# Altium PCB CORTEXM4.PcbDoc (part 1 of 2) (continued)
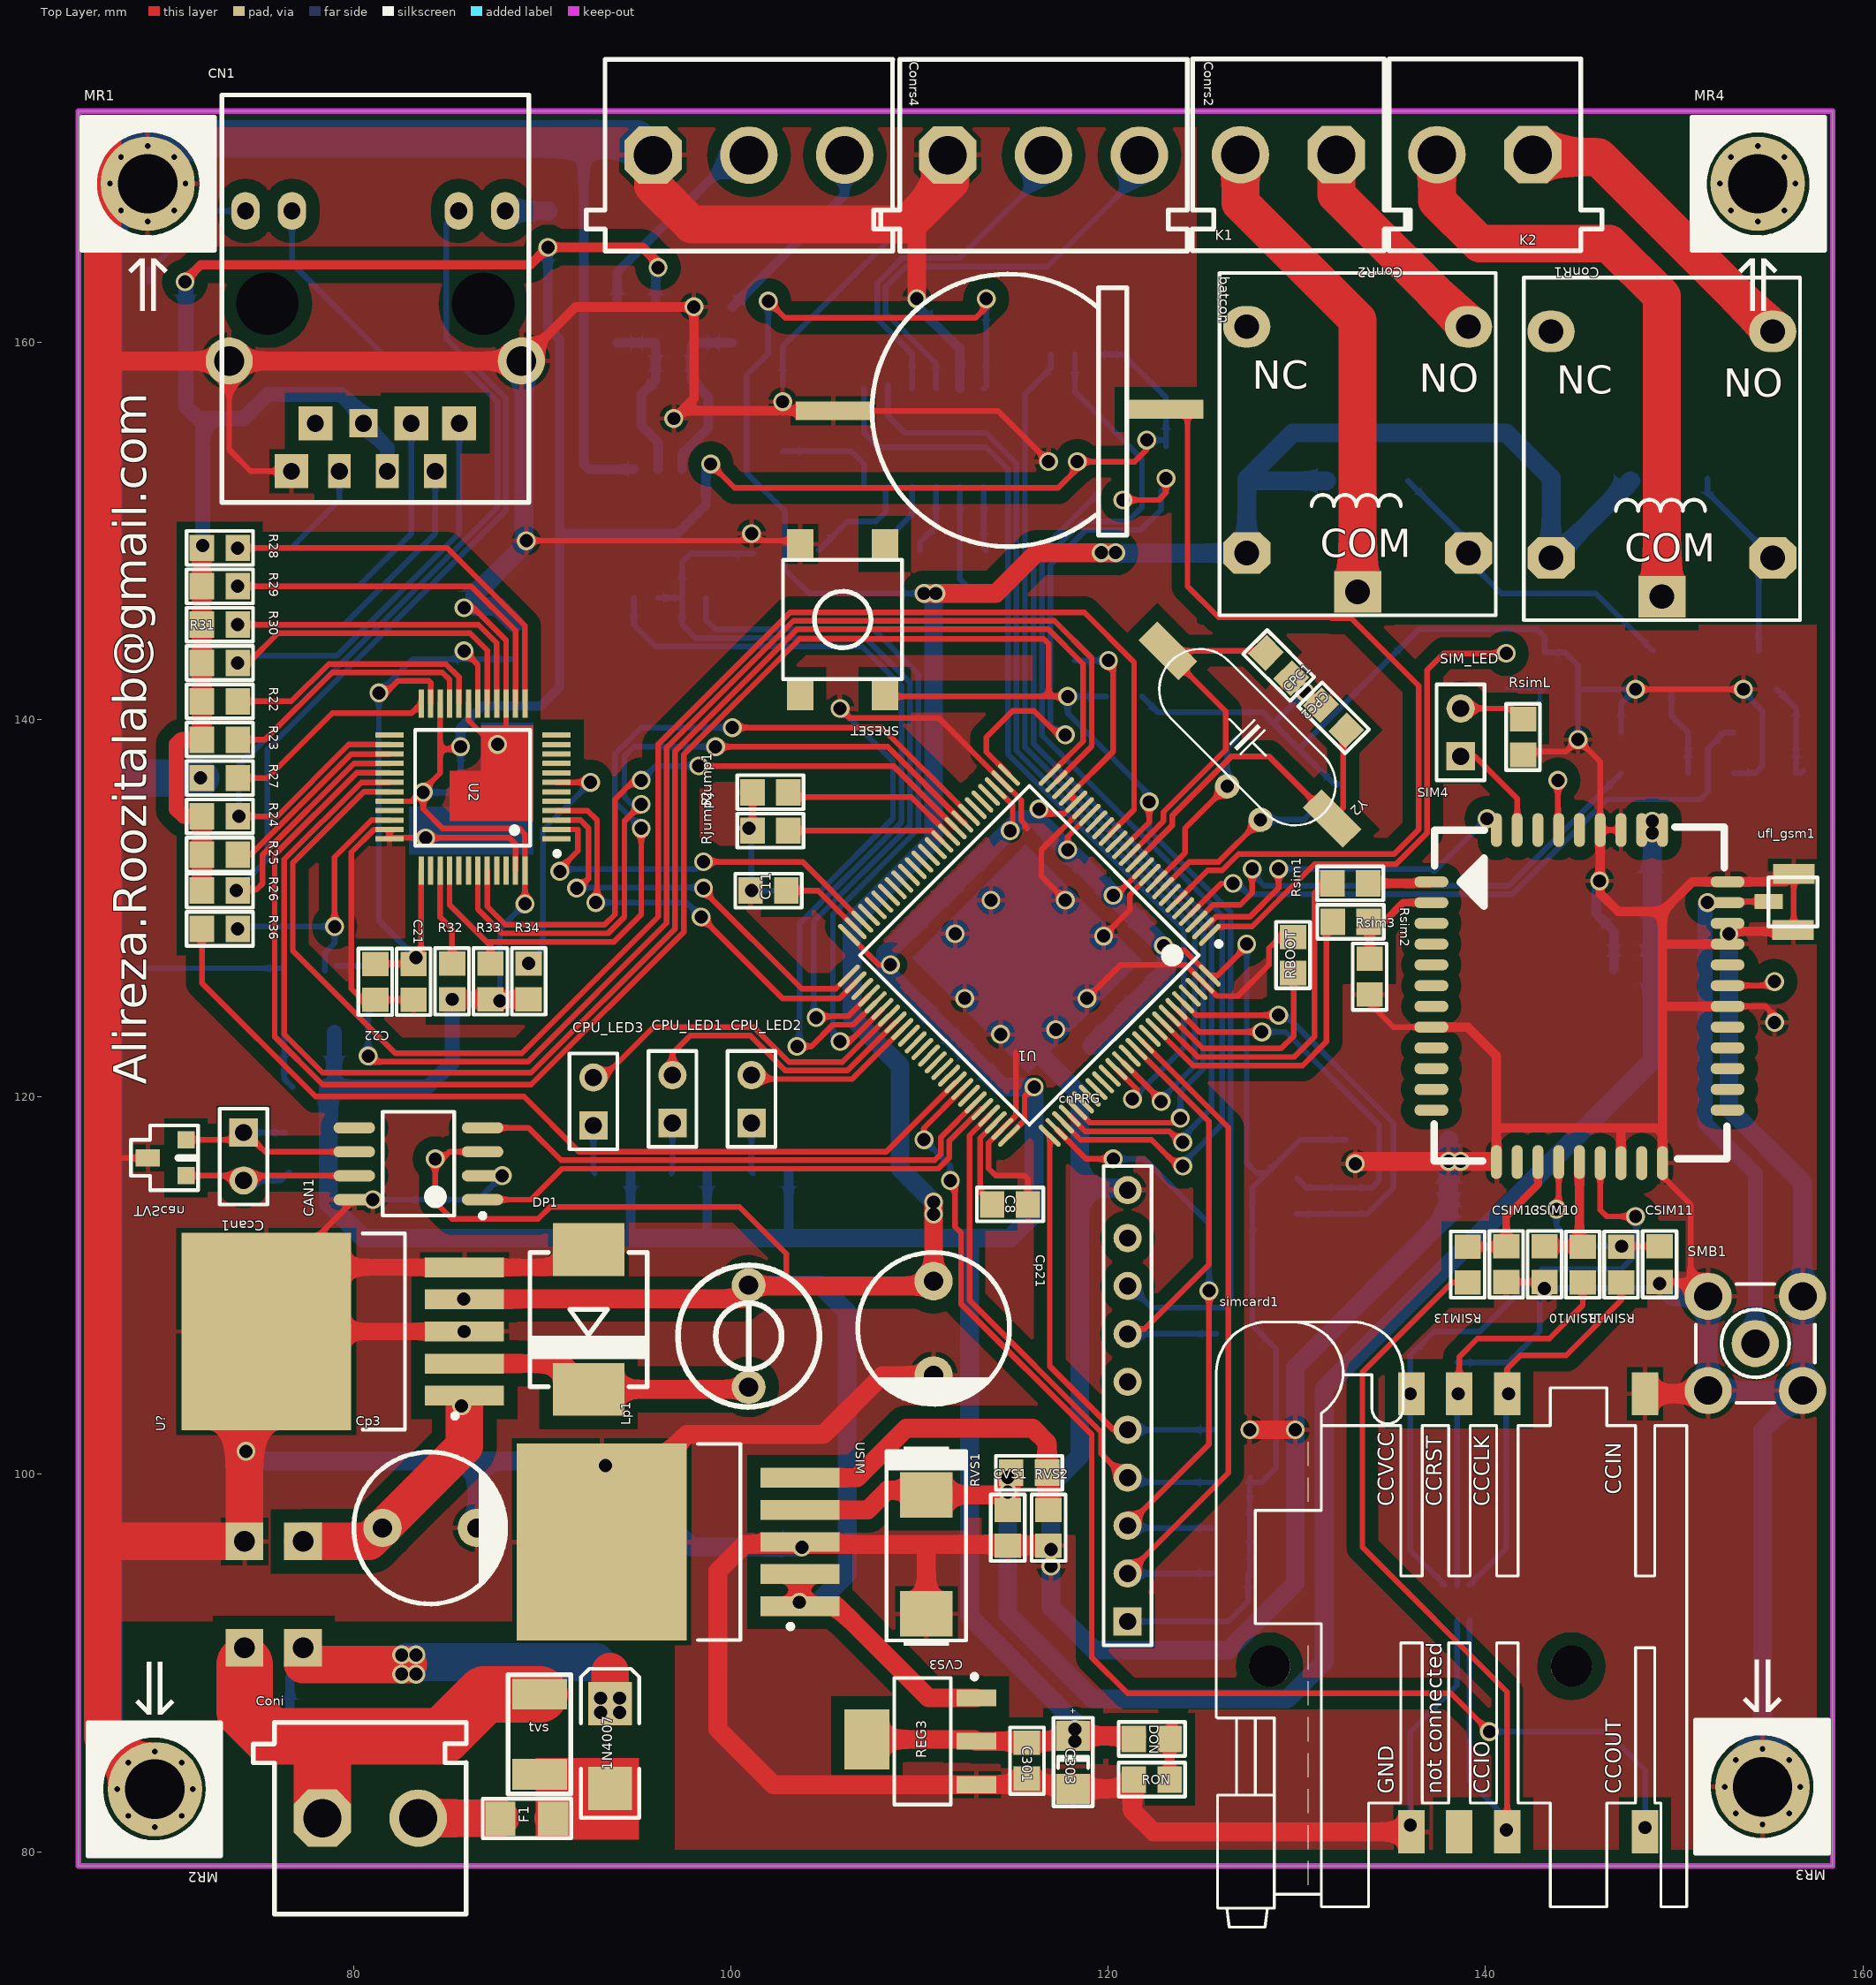
[diagram p0: Top Layer view]
## Design rules (kind name [scope] priority, off if disabled: settings)
Clearance [All] p1: gap=0.2 ignorepadtopadclearanceinfootprint=FALSE except(0: Arc-Hole Track-Hole SMDPad-Hole THPad-Hole Via-Hole Fill-Hole Poly-Hole Region-Hole Text-Hole)
ComponentClearance [All] p1: gap=0 collisioncheckmode=3 verticalgap=0 showdistances=FALSE
PlaneClearance [All] p1: clearance=0.508
PlaneConnect [All] p1: planeconnectstyle=Relief reliefexpansion=0.508 reliefentries=4 reliefconductorwidth=0.254 reliefairgap=0.254
PolygonConnect [All] p1: connectstyle=Relief reliefconductorwidth=0.254 reliefentries=4 polygonreliefangle="90 Angle" airgapwidth=0.254
RoutingVias [All] p1: holewidth=0.6 width=1 viastyle="Through Hole" minholewidth=0.711 minwidth=1.27 maxholewidth=0.711 maxwidth=1.27
SolderMaskExpansion [All] p1: expansion=0.102
Width [All] p1: maxlimit=10 minlimit=0.2 preferedwidth=0.2 minimp=50.000000 maximp=50.000000 favimp=50.000000
27 further rules are at their usual default settings.

## Classes and differential pairs
component class OUTPUTS: ConR1 ConR2 D19 D20 K1 K2 QR2 QR3 R143 R144 R145 R146
component class POWER_PART: 1N4007 C301 C303 Coni CP1 Cp3 Cp4 Cp5 Cp21 Cpin DON DP1 F1 Lp1 REG3 RON S1 tvs U?
component class PROTOCOL_PART: C325 Conrs2 Conrs4 Crs1 Crs2 Crs3 Crs4 Crs5 F31 F32 R321 R322 R323 TVS2 U37 Urs2
component class ETH_PART: C21 C22 C23 C24 C25 C26 C27 CN1 R21 R22 R23 R24 R25 R26 R27 R28 R29 R30 R31 R32 R33 R34 R35 R36 R37 R200 U2 UX
component class SIM800: CRTC1 CSIM10 CSIM11 CSIM12 CSIM13 CVS1 CVS2 CVS3 CVS4 CVS5 ESD10 Qsim6 Rsim1 Rsim2 Rsim3 Rsim4 Rsim5 RSIM10 RSIM11 RSIM13 RsimL RVS1 RVS2 SIM4 SIM_LED simcard1 SMB1 ufl_gsm1 USIM
component class STM32F407VG: batcon C8 C9 C10 C11 C13 CAN1 Capcan1 CB1 CB2 CB3 CB4 CB5 CB6 CB7 CB8 Ccan1 cnPRG CP2 CPC1 CPC2 CPC3 CPC4 CPU_LED1 CPU_LED2 CPU_LED3 flash1 MR1 MR2 MR3 MR4 R20 RBOOT Rcan1 Rf1 Rf3 Rflash1 Rjump1 Rjump2 RLED1 RLED2 RLED3 RPRG1 RPRG2 RPRG3 RPRG4 RPRG5 SRESET TVScan U1 Uf2 Y1 Y2

## Components (designator, comment, footprint, x,y, rotation, side; value= is the part's Value field where it differs from the comment)
1N4007 "Diode" SMB 93.599,85.598 r90 top
batcon "BAT" BATTERY 114.808,156.337 r270 top locked
C8 "2.2µF" 0805.#1 114.808,114.3 r180 top
C9 "100nF" 0805.#1 116.84,132.588 r225 bottom
C10 "100nF" 0805.#1 121.158,126.111 r315 bottom
C11 "2.2µF" 0805.#1 101.981,130.937 r0 top
C13 "Cap" 0805.#1 120.854,141.228 r180 bottom
C21 "100nF" 0805.#1 83.185,126.111 r270 top
C22 "100nF" 0805.#1 81.153,126.111 r270 top
C23 "100nF" 0805.#1 88.519,144.145 r90 bottom
C24 "100nF" 0805.#1 86.614,138.557 r0 bottom
C25 "100nF" 0805.#1 86.614,136.525 r0 bottom
C26 "100nF" 0805.#1 83.693,135.382 r270 bottom
C27 "10uF" C1206. 86.523,144.998 r180 bottom
C301 "100nF" 0805.#1 115.697,84.836 r270 top
C303 "10uF" C1206. 118.237,84.328 r180 top
C325 "" 0805.#1 92.583,151.638 r270 bottom
CAN1 "MCP2551" SOIC8 83.439,116.459 r180 top locked
Capcan1 "100nF" 0805.#1 84.074,115.824 r90 bottom
CB1 "100nF" 0805.#1 118.491,131.064 r45 bottom
CB2 "100nF" 0805.#1 113.157,131.191 r135 bottom
CB3 "100nF" 0805.#1 117.856,122.809 r315 bottom
CB4 "100nF" 0805.#1 119.634,124.587 r315 bottom
CB5 "100nF" 0805.#1 113.665,122.555 r225 bottom
CB6 "100nF" 0805.#1 111.76,124.46 r225 bottom
CB7 "100nF" 0805.#1 120.269,129.286 r45 bottom
CB8 "100nF" 0805.#1 111.252,129.286 r135 bottom
Ccan1 "Header 2" HDR1X2 74.168,118.11 r270 top
CN1 "eth_conector\" eth_conector 81.788,160.782 r0 top locked
cnPRG "Header 10" HDR1X10 121.031,92.202 r90 top
Coni "CON2 pin blue" My_CN2 75.819,86.868 r0 top
ConR1 "CON2 pin blue" My_CN2 145.034,164.846 r180 top
ConR2 "CON2 pin blue" My_CN2 134.62,164.846 r180 top
Conrs2 "CON3 pin Green" My_CN3 108.966,175.006 r0 top
Conrs4 "CON3 pin Green" My_CN3 93.345,175.006 r0 top
CP1 "100nF" 0805.#1 85.852,108.331 r90 bottom
CP2 "10uF" C1206. 110.236,125.984 r135 bottom
Cp3 "Cap Pol1" 100UF25V 81.534,97.155 r0 top
Cp4 "10uF" C1206. 103.759,95.377 r180 bottom
Cp5 "100nF" 0805.#1 85.725,102.489 r90 bottom
Cp21 "Cap Pol1" 100UF25V 110.744,110.236 r270 top
CPC1 "22PF" 0805.#1 131.953,140.081 r135 top
CPC2 "22PF" 0805.#1 129.032,142.875 r315 top
CPC3 "18PF" 0805.#1 131.572,135.89 r45 bottom
CPC4 "18PF" 0805.#1 127.508,139.7 r45 bottom
Cpin "100nF" 0805.#1 75.692,87.376 r180 bottom
CPU_LED1 "Header 2" HDR1X2 96.901,118.618 r90 top
CPU_LED2 "Header 2" HDR1X2 101.092,118.618 r90 top
CPU_LED3 "Header 2" HDR1X2 92.71,118.491 r90 top
Crs1 "Cap" "CAP 1206 (3216X08L)" 105.156,148.971 r0 bottom
Crs2 "Cap" "CAP 1206 (3216X08L)" 113.03,148.971 r180 bottom
Crs3 "Cap" "CAP 1206 (3216X08L)" 110.49,146.812 r0 bottom
Crs4 "Cap" "CAP 1206 (3216X08L)" 110.49,162.052 r0 bottom
Crs5 "Cap" "CAP 1206 (3216X08L)" 102.743,157.226 r270 bottom
CRTC1 "100nf,50v" 0805.#1 155.321,125.095 r90 bottom
CSIM10 "22PF,50v" 0805.#1 143.129,111.125 r90 top
CSIM11 "22PF,50v" 0805.#1 149.225,111.125 r90 top
CSIM12 "100N" 0805.#1 137.541,105.918 r0 bottom
CSIM13 "22PF,50v" 0805.#1 141.097,111.125 r90 top
CVS1 "100nf,50v" 0805.#1 114.677,97.155 r90 top
CVS2 "10uF" C1206. 146.862,131.06 r270 bottom
CVS3 "470uf,6.3V" MY_SMC_D 110.363,95.758 r270 top
CVS4 "33pf,50v" 0805.#1 147.751,128.774 r0 bottom
CVS5 "10pf,50v" 0805.#1 147.751,126.742 r0 bottom
D19 "Diode 1N4148" "Diode-1n4148 - SMD PAD" 136.906,152.654 r180 bottom
D20 "Diode 1N4148" "Diode-1n4148 - SMD PAD" 152.781,152.781 r180 bottom
DON "LED2" 0805.#1 122.301,85.979 r0 top
DP1 "CDBC5100-G" MY_SMC 92.456,108.204 r90 top
ESD10 "ESD_PROTECT" SMF05 138.557,93.218 r0 bottom
F1 "FUSE" 1206 89.154,81.788 r90 top
F31 "HZ0805C202R-00(0R0)" 0805.#1 93.98,160.909 r90 bottom
F32 "HZ0805C202R-00(0R0)" 0805.#1 100.076,160.909 r90 bottom
flash1 "W25Q32FV" SOIC8 118.872,155.956 r90 bottom
K1 "Relay" "Relay 18.85x15.35x15.70" 133.223,153.797 r0 top
K2 "Relay" "Relay 18.85x15.35x15.70" 149.352,153.543 r0 top
Lp1 "Inductor" indoctor100u 100.965,104.648 r90 top
MR1 "Screw" "Board Screw" 69.088,168.402 r0 top
MR2 "Screw" "Board Screw" 69.469,83.312 r180 top
MR3 "Screw" "Board Screw" 154.686,83.439 r180 top
MR4 "Screw" "Board Screw" 154.432,168.402 r0 top
QR2 "2N3904" 2N3906_SMD#1 149.86,141.605 r180 bottom
QR3 "2N3904" 2N3906_SMD#1 155.448,141.605 r180 bottom
Qsim6 "BC817" 2N3906_SMD#1 142.875,138.811 r0 bottom
R20 "Res2" 0805.#1 118.237,142.113 r90 bottom
R21 "Res2" 0805.#1 70.104,163.195 r0 bottom
R22 "Res2" 0805.#1 72.898,140.97 r0 top
R23 "Res2" 0805.#1 72.898,138.938 r0 top
R24 "Res2" 0805.#1 72.898,134.874 r0 top
R25 "Res2" 0805.#1 72.898,132.842 r0 top
R26 "Res2" 0805.#1 72.898,130.937 r0 top
R27 "Res2" 0805.#1 72.898,136.906 r0 top
R28 "Res2" 0805.#1 72.898,149.098 r0 top
R29 "Res2" 0805.#1 72.898,147.066 r0 top
R30 "Res2" 0805.#1 72.898,145.034 r0 top
R31 "Res2" 0805.#1 72.898,143.002 r0 top
R32 "Res2" 0805.#1 85.217,126.111 r90 top
R33 "Res2" 0805.#1 87.249,126.111 r90 top
R34 "Res2" 0805.#1 89.281,126.111 r90 top
R35 "10K" 0805.#1 77.724,120.523 r180 bottom
R36 "Res2" 0805.#1 72.898,128.905 r0 top
R37 "Res2" 0805.#1 81.407,125.984 r90 bottom
R143 "Res2" "RES 1206 (3216X08L)" 150.241,137.16 r180 bottom
R144 "Res2" "RES 1206 (3216X08L)" 147.701,139.319 r0 bottom
R145 "Res2" "RES 1206 (3216X08L)" 156.21,139.319 r180 bottom
R146 "Res2" "RES 1206 (3216X08L)" 153.67,137.16 r0 bottom
R200 "Res2" 0805.#1 90.297,165.989 r270 bottom
R321 "" 0805.#1 101.092,149.225 r270 bottom
R322 "" 0805.#1 96.012,160.909 r270 bottom
R323 "" 0805.#1 98.044,160.909 r90 bottom
RBOOT "0" 0805.#1 129.794,127.508 r90 top
Rcan1 "120R,10%,0.1w" 0805.#1 76.581,116.967 r270 bottom
REG3 "REG1117" "REG SMD" 110.109,85.852 r90 top
Rf1 "Res2" 0805.#1 129.032,115.697 r0 bottom (schematic designator RF1)
Rf3 "Res2" 0805.#1 129.032,113.665 r180 bottom (schematic designator RF3)
Rflash1 "10K,10%,0.1w" 0805.#1 123.038,153.797 r270 bottom
Rjump1 "10K,10%,0.1w" 0805.#1 102.108,136.144 r180 top
Rjump2 "10K,10%,0.1w" 0805.#1 102.108,134.112 r180 top
RLED1 "330R,10%,0.1w" 0805.#1 97.79,115.951 r0 bottom
RLED2 "330R,10%,0.1w" 0805.#1 102.108,115.951 r0 bottom
RLED3 "330R,10%,0.1w" 0805.#1 93.726,115.951 r0 bottom
RON "4.7K" 0805.#1 122.301,83.82 r0 top
RPRG1 "Res2" 0805.#2 126.492,94.742 r180 bottom
RPRG2 "Res2" 0805.#2 126.492,97.155 r180 bottom
RPRG3 "Res2" 0805.#2 126.492,99.568 r180 bottom
RPRG4 "Res2" 0805.#2 126.619,107.188 r180 bottom
RPRG5 "Res2" 0805.#2 126.492,102.362 r0 bottom
Rsim1 "1K,10%,0.1w" 0805.#1 132.842,131.318 r180 top
Rsim2 "1K,10%,0.1w" 0805.#1 132.842,129.286 r0 top
Rsim3 "5.6K,10%,0.1w" 0805.#1 133.858,126.365 r90 top
Rsim4 "10K,10%,0.1w" 0805.#1 141.097,142.621 r270 bottom
Rsim5 "10K,10%,0.1w" 0805.#1 143.129,142.621 r270 bottom
RSIM10 "47R,10%,0.1w" 0805.#1 145.161,111.125 r270 top
RSIM11 "47R,10%,0.1w" 0805.#1 147.193,111.125 r270 top
RSIM13 "47R,10%,0.1w" 0805.#1 139.065,111.125 r270 top
RsimL "330R,10%,0.1w" 0805.#1 141.986,139.065 r90 top
RVS1 "2.2k" 0805.#1 115.82,100.076 r180 top
RVS2 "1k" 0805.#1 116.836,97.155 r90 top
S1 "SERI_SELF" SERI_SELF_SMALL 75.565,93.599 r90 bottom
SIM4 "SIM800C" SIM800C 144.907,125.984 r0 top locked
SIM_LED "Header 2" HDR1X2 138.684,138.049 r90 top
simcard1 "SIM Card" MY_SIMCARD 137.16,83.439 r90 top locked
SMB1 "SMB" SMB_V-RJ45 154.305,106.934 r0 top
SRESET "SW-DPST" B3FS_SWITCH 105.918,145.288 r270 top
tvs "SMP100LC" TVS 89.916,86.233 r90 top
TVS2 "CDSOT-SM712" 2N3906_SMD#1 96.012,157.988 r0 bottom
TVScan "CDSOT-SM712" 2N3906_SMD#2 71.12,117.729 r270 top
U1 "STM32F407VG" stm32f107 115.824,127.508 r225 top locked
U2 "DP83848CVV" LQFP48 86.614,136.398 r180 top locked
U37 "ADM485" SOIC8 96.774,149.86 r90 bottom
U? "LM2576" d2pak5-lead 79.375,107.569 r180 top locked
Uf2 "AT24C02BN-SP25-B" SOP8 138.049,117.729 r180 bottom
ufl_gsm1 "ANT_UFL" UFL_CON 156.464,130.429 r90 top
Urs2 "MAX232ACSE" SOIC16 108.966,154.94 r180 bottom
USIM "MIC29302" MIC29302 97.79,96.139 r0 top locked
UX "50.0M" oscillator_50MHZ 77.597,125.095 r90 bottom
Y1 "32KHZ" XTAL-RTC-RA 127,135.382 r45 bottom
Y2 "XTAL 8mhz" "XTAL Small" 127.381,139.065 r315 top locked

## Footprints (in the part's own frame and the unit in brackets; to place one, negate y for a bottom-side part, rotate by r counter-clockwise, add the part's x,y. Pads: shape width x height; smd on the part's side, far side on the other; paste and mask are expansions set on the pad)
2N3906_SMD#1 [mil]
  rect 36x36 smd: 1(0,0) 2(75,0)
  rect 36x50 smd: 3(38,80)
  silkscreen extent -30,-25 105,115, body extent -20,-9 95,89, height 41
2N3906_SMD#2 [mil]
  rect 36x36 smd: 1(0,0) 2(75,0)
  rect 36x50 smd: 3(38,-80)
  silkscreen extent -30,-115 105,25, body extent -20,-89 95,9, height 30
100UF25V [mil]
  round 80 hole 40: 1(0,0) 2(196.85,0)
  silkscreen extent -60,-158 257,158, body extent -62,-159 255,158, height 466
0805.#1 [mm]
  rect 1.3x1.4 smd: 1(-0.939,-0.004) 2(0.961,-0.004)
  silkscreen extent -1.75,-0.9 1.77,0.9
0805.#2 [mm]
  rect 1.3x1.4 smd: 1(-0.939,0.004) 2(0.961,0.004)
  silkscreen extent -1.75,-0.9 1.77,0.9
1206 [mm]
  rect 1.8x1.6 smd: 1(-0.033,-1.425) 2(-0.033,1.375)
  silkscreen extent -1.07,-2.39 1.01,2.31
B3FS_SWITCH [mm]
  rect 1.6x1.4 smd: 1(-4.012,2.246) 2(3.998,2.246) 3(-4.012,-2.244) 4(3.998,-2.244)
  silkscreen extent -3.17,-3.15 3.14,3.16, body extent -4.57,-3.15 4.57,3.16, height 4.57
BATTERY [mm]
  rect 1x4 smd: 1(-0.102,8.23) 2(-0.025,-9.373)
  silkscreen extent -7.27,-7.33 7.17,6.17
"Board Screw" [mm]
  round 0.6 hole 0.3: S(-2,0) S(-1.414,-1.414) S(-1.414,1.414) S(0,-2) S(0,2) S(1.414,-1.414) S(1.414,1.414) S(2,0)
  round 5 hole 3.15 mask+0.1: S(0,0)
  silkscreen extent -3.49,-6.75 3.56,3.52
C1206. [mm]
  rect 1.8x1.6 smd: 1(0.094,-1.806) 2(0.094,0.994)
  silkscreen extent -0.95,-2.77 1.14,1.93
"CAP 1206 (3216X08L)" [mm]
  rect 1.5x1.7 smd: 1(-0.5,0) 2(3,0)
  silkscreen extent -1.43,-0.97 4.03,1, body extent -0.32,-0.83 2.87,0.77, height 1
d2pak5-lead [mm]
  rect 4.2x1.05 smd: 1(-6.5,3.4) 2(-6.5,1.7) 3(-6.5,0) 4(-6.5,-1.7) 5(-6.5,-3.4)
  rect 9x10.45 smd: 6(4,0)
  silkscreen extent -6.13,-5.2 -1.1,5.2, body extent -7.61,-5.21 7.61,5.09, height 4.5
"Diode-1n4148 - SMD PAD" [mil]
  rrect75% 59.06x60 smd: 1(40,0) 2(210,0)
  silkscreen extent 65,-36 180,34, body extent 52,-29 190,30, height 57
eth_conector [mm]
  round 3.2 hole 3.302: 0(-6.35,1.27) 0(5.08,1.27)
  rect 1.8x1.8 hole 0.9: 1(3.81,-5.08) 3(1.27,-5.08) 7(-3.81,-5.08) 8(-5.08,-7.62)
  rect 1.2x1.8 hole 0.9: 2(2.54,-7.62) 4(0,-7.62) 6(-2.54,-7.62)
  rect 1.5x1.5 hole 0.9: 5(-1.27,-5.08)
  oval 1.5x2 hole 0.9: 9(6.248,6.172) 10(3.783,6.172) 11(-5.053,6.172) 12(-7.518,6.172)
  round 2.5 hole 1.575: 13(7.112,-1.778) 14(-8.382,-1.778)
  silkscreen extent -8.76,-9.27 7.49,12.32
HDR1X2 [mm] "Connector; Header; 2 Position"
  rect 1.5x1.5 hole 0.9: 1(0,0)
  round 1.5 hole 0.9: 2(2.54,0)
  silkscreen extent -1.27,-1.27 3.81,1.27
HDR1X10 [mm] "Connector; Header; 10 Position"
  rect 1.5x1.5 hole 0.9: 1(0,0)
  round 1.5 hole 0.9: 2(2.54,0) 3(5.08,0) 4(7.62,0) 5(10.16,0) 6(12.7,0) 7(15.24,0) 8(17.78,0) 9(20.32,0) 10(22.86,0)
  silkscreen extent -1.27,-1.27 24.13,1.27
indoctor100u [mm]
  round 1.8 hole 1.016: 1(-0.025,0.025) 2(5.375,0.025)
  silkscreen extent -1.07,-3.72 6.42,3.77, body extent -2.3,-4.97 7.7,5.03, height 13.63
LQFP48 [mm]
  rect 1.5x0.28 smd: 1(-4.148,2.725) 1(-4.148,2.725) 2(-4.148,2.225) 3(-4.148,1.725) 4(-4.148,1.225) 5(-4.148,0.725) 6(-4.148,0.225) 7(-4.148,-0.275) 8(-4.148,-0.775) 9(-4.148,-1.275) 10(-4.148,-1.775) 11(-4.148,-2.275) 12(-4.148,-2.775) 25(4.702,-2.775) 26(4.702,-2.275) 27(4.702,-1.775) 28(4.702,-1.275) 29(4.702,-0.775) 30(4.702,-0.275) 31(4.702,0.225) 32(4.702,0.725) 33(4.702,1.225) 34(4.702,1.725) 35(4.702,2.225) 36(4.702,2.725)
  rect 0.28x1.5 smd: 13(-2.473,-4.45) 14(-1.973,-4.45) 15(-1.473,-4.45) 16(-0.973,-4.45) 17(-0.473,-4.45) 18(0.027,-4.45) 19(0.527,-4.45) 20(1.027,-4.45) 21(1.527,-4.45) 22(2.027,-4.45) 23(2.527,-4.45) 24(3.027,-4.45) 37(3.027,4.4) 38(2.527,4.4) 39(2.027,4.4) 40(1.527,4.4) 41(1.027,4.4) 42(0.527,4.4) 43(0.027,4.4) 44(-0.473,4.4) 45(-0.973,4.4) 46(-1.473,4.4) 47(-1.973,4.4) 48(-2.473,4.4)
  silkscreen extent -4.3,-3.05 3.35,3.62, body extent -3.09,-3.27 3.78,3.32, height 1.6
MIC29302 [mm]
  rect 4.2x1.05 smd: 1(5.868,-3.126) 2(5.868,-1.426) 3(5.868,0.274) 4(5.868,1.974) 5(5.868,3.674)
  rect 9x10.45 smd: 6(-4.632,0.274)
  silkscreen extent 0.47,-4.93 5.49,5.47, body extent -8.25,-4.82 6.98,5.48, height 4.5
My_CN2 [mil]
  oct 120x120 hole 80: 1(99.5,-200.5)
  round 120 hole 80: 2(299.5,-200.5)
  silkscreen extent -45,-400 400,0
My_CN3 [mil]
  oct 120x120 hole 80: 1(99.5,-200.5)
  round 120 hole 80: 2(299.5,-200.5) 3(499.5,-200.5)
  silkscreen extent -40,-400 600,0
MY_SIMCARD [mil]
  rect 90x55 smd: C1(820,43) C2(820,-57) C3(820,-157) C4(820,-445) C5(-94,43) C6(-94,-57) C7(-94,-157) C8(-94,-445)
  round 86 hole 86 unplated: ""(251.73,338.86) ""(251.73,-291.06)
  silkscreen extent -293,-532 970,450
MY_SMC [mm]
  rect 2.8x3.8 smd: A(3.7,0) K(-3.7,0)
  silkscreen extent -3.56,-3.1 3.56,3.1, body extent -4.06,-3.15 4.06,3.15, height 2.62
MY_SMC_D [mm]
  rect 2.4x2.8 smd: +(-3.15,0) -(3.15,0)
  silkscreen extent -5.71,-2.11 4.85,2.1, body extent -3.65,-2.15 3.65,2.15, height 2.83
oscillator_50MHZ [mm]
  oct 2.5x1.45 smd: 1(-1.664,-1.283)
  rect 2.5x1.45 smd: 2(1.727,-1.283) 3(1.714,1.384) 4(-1.664,1.384)
  silkscreen extent -3.38,-2.46 3.48,2.59
"REG SMD" [mm]
  rect 0.9x2.1 smd: 1(2.3,-2.9) 2(-2.3,-2.9) 3(0,-2.9)
  rect 3.2x2.4 smd: 4(0.1,2.9)
  silkscreen extent -3.35,-2.93 3.55,1.45, body extent -3.35,-1.9 3.35,1.8, height 1.7
"Relay 18.85x15.35x15.70" [mm]
  rect 2.5x2.2 hole 1.3: 1(0,-7.025)
  oval 2.5x2.2 hole 1.3: 2(-5.875,7.025) 3(5.875,7.025)
  oct 2.5x2.2 hole 1.3: 4(-5.875,-4.975) 5(5.875,-4.975)
  silkscreen extent -7.32,-8.27 7.32,9.87, body extent -7.82,-8.64 8.08,10.86, height 15.5
"RES 1206 (3216X08L)" [mm]
  rect 1.5x1.7 smd: 1(-0.508,0) 2(3.048,0)
  silkscreen extent -1.4,-1.02 3.94,1.02, body extent -0.27,-0.8 2.83,0.8, height 0.55
SERI_SELF_SMALL [mm]
  rect 2x2 hole 1.1: 1(-2.794,1.753) 2(-2.794,-1.346) 3(2.845,1.753) 4(2.845,-1.346)
  silkscreen extent -4.06,-2.62 4.09,3
SIM800C [mm]
  oval 1.8x0.6 smd mask+0.102: 1(-7.775,5.416) 2(-7.775,4.316) 3(-7.775,3.216) 4(-7.775,2.116) 5(-7.775,1.016) 6(-7.775,-0.084) 7(-7.775,-1.184) 8(-7.775,-2.284) 9(-7.775,-3.384) 10(-7.775,-4.484) 11(-7.775,-5.584) 12(-7.775,-6.684) 22(7.925,-6.684) 23(7.925,-5.584) 24(7.925,-4.484) 25(7.925,-3.384) 26(7.925,-2.284) 27(7.925,-1.184) 28(7.925,-0.084) 29(7.925,1.016) 30(7.925,2.116) 31(7.925,3.216) 32(7.925,4.316) 33(7.925,5.416)
  oval 0.6x1.8 smd mask+0.102: 13(-4.324,-9.436) 14(-3.224,-9.436) 15(-2.124,-9.436) 16(-1.024,-9.436) 17(0.076,-9.436) 18(1.176,-9.492) 19(2.276,-9.492) 20(3.376,-9.492) 21(4.476,-9.492) 34(4.476,8.162) 35(3.376,8.164) 36(2.276,8.164) 37(1.176,8.164) 38(0.076,8.164) 39(-1.024,8.164) 40(-2.124,8.164) 41(-3.224,8.164) 42(-4.324,8.164)
  silkscreen extent -7.63,-9.38 7.89,8.31
SMB [mm]
  rect 2.3x2.3 smd: 1(-2.25,0) 2(2.25,0)
  silkscreen extent -3.8,-1.55 4.1,1.55
SMB_V-RJ45 [mm] "Connector; SMB Straight"
  round 2.5 hole 1.5: 1(0,0) 2(-2.5,-2.5) 2(-2.5,2.5) 2(2.5,-2.5) 2(2.5,2.5)
  silkscreen extent -3.15,-3.15 3.15,3.15
SMF05 [mm]
  rect 0.4x0.85 smd: 1(-0.712,-0.918) 2(-0.058,-0.918) 3(0.596,-0.918) 4(0.596,0.954) 5(-0.058,0.955) 6(-0.712,0.955)
  silkscreen extent -1.31,-0.77 1.13,1.03
SOIC8 [mm]
  oval 2.2x0.6 smd: 1(-3.4,1.905) 2(-3.4,0.635) 3(-3.4,-0.635) 4(-3.4,-1.905) 5(3.4,-1.905) 6(3.4,-0.635) 7(3.4,0.635) 8(3.4,1.905)
  silkscreen extent -3.52,-2.75 1.9,2.88, body extent -2.73,-2.75 2.73,2.75, height 2.13
SOIC16 [mm]
  rect 0.6x2.2 smd: 1(-4.445,-2.6) 2(-3.175,-2.6) 3(-1.905,-2.6) 4(-0.635,-2.6) 5(0.635,-2.6) 6(1.905,-2.6) 7(3.175,-2.6) 8(4.445,-2.6) 9(4.445,2.6) 10(3.175,2.6) 11(1.905,2.6) 12(0.635,2.6) 13(-0.635,2.6) 14(-1.905,2.6) 15(-3.175,2.6) 16(-4.445,2.6)
  silkscreen extent -5.42,-2.72 5,1.1, body extent -4.95,-2.89 4.95,3.11, height 1.4
SOP8 [mm]
  rect 1.5x0.51 smd: 1(0,0) 2(0,-1.27) 3(0,-2.54) 4(0,-3.81) 5(5.44,-3.81) 6(5.44,-2.54) 7(5.44,-1.27) 8(5.44,0)
  silkscreen extent 1.21,-4.45 4.23,0.63, body extent -0.32,-4.43 5.72,0.59, height 1.6
stm32f107 [mm]
  oval 1.55x0.25 smd: 1(-7.525,6) 2(-7.525,5.5) 3(-7.525,5) 4(-7.525,4.5) 5(-7.525,4) 6(-7.525,3.5) 7(-7.525,3) 8(-7.525,2.5) 9(-7.525,2) 10(-7.525,1.5) 11(-7.525,1) 12(-7.525,0.5) 13(-7.525,0) 14(-7.525,-0.5) 15(-7.525,-1) 16(-7.525,-1.5) 17(-7.525,-2) 18(-7.525,-2.5) 19(-7.525,-3) 20(-7.525,-3.5) 21(-7.525,-4) 22(-7.525,-4.5) 23(-7.525,-5) 24(-7.525,-5.5) 25(-7.525,-6) 51(7.525,-6) 52(7.525,-5.5) 53(7.525,-5) 54(7.525,-4.5) 55(7.525,-4) 56(7.525,-3.5) 57(7.525,-3) 58(7.525,-2.5) 59(7.525,-2) 60(7.525,-1.5) 61(7.525,-1) 62(7.525,-0.5) 63(7.525,0) 64(7.525,0.5) 65(7.525,1) 66(7.525,1.5) 67(7.525,2) 68(7.525,2.5) 69(7.525,3) 70(7.525,3.5) 71(7.525,4) 72(7.525,4.5) 73(7.525,5) 74(7.525,5.5) 75(7.525,6)
  oval 0.25x1.55 smd: 26(-6,-7.525) 27(-5.5,-7.525) 28(-5,-7.525) 29(-4.5,-7.525) 30(-4,-7.525) 31(-3.5,-7.525) 32(-3,-7.525) 33(-2.5,-7.525) 34(-2,-7.525) 35(-1.5,-7.525) 36(-1,-7.525) 37(-0.5,-7.525) 38(0,-7.525) 39(0.5,-7.525) 40(1,-7.525) 41(1.5,-7.525) 42(2,-7.525) 43(2.5,-7.525) 44(3,-7.525) 45(3.5,-7.525) 46(4,-7.525) 47(4.5,-7.525) 48(5,-7.525) 49(5.5,-7.525) 50(6,-7.525) 76(6,7.525) 77(5.5,7.525) 78(5,7.525) 79(4.5,7.525) 80(4,7.525) 81(3.5,7.525) 82(3,7.525) 83(2.5,7.525) 84(2,7.525) 85(1.5,7.525) 86(1,7.525) 87(0.5,7.525) 88(0,7.525) 89(-0.5,7.525) 90(-1,7.525) 91(-1.5,7.525) 92(-2,7.525) 93(-2.5,7.525) 94(-3,7.525) 95(-3.5,7.525) 96(-4,7.525) 97(-4.5,7.525) 98(-5,7.525) 99(-5.5,7.525) 100(-6,7.525)
  silkscreen extent -7.65,-6.35 6.35,6.8, body extent -7,-7 7,7, height 1.6
TVS [mm]
  rect 1.62x2.9 smd: 1(-2.134,0.051) 2(2.108,0.051)
  silkscreen extent -3.17,-1.6 3.15,1.73
UFL_CON [mil]
  rect 41.5x86.61 smd: 1(-62,6) 1(55,5)
  rect 31.5x59.05 smd: 2(-3,57)
  silkscreen extent -55,-45 47,57
"XTAL Small" [mil]
  rect 118.11x55 smd: 1(-245,10) 2(245,5)
  silkscreen extent -225,-85 225,85, body extent -226,-89 226,89, height 140
XTAL-RTC-RA [mm]
  rrect50% 3x3 smd: 0(10.2,0.05)
  round 1.3 hole 0.7: 1(0.275,-1.25) 2(0.275,1.25)
  silkscreen extent 1.11,-1.75 11.8,1.8, body extent 0.15,-1.45 11.17,1.55, height 3.55

## Part data
1N4007: "Default Diode"
C8 C9 C10 C11 C21 C22 C23 C24 C25 C26 C301 C325 Capcan1 CB1 CB2 CB3 CB4 CB5 CB6 CB7 CB8 CP1 Cp5 CPC1 CPC2 CPC3 CPC4 Cpin CRTC1 CSIM10 CSIM11 CSIM12 CSIM13 CVS1 CVS4 CVS5: library part Cap, "Capacitor"
C13 Crs1 Crs2 Crs3 Crs4 Crs5: "Capacitor"
C27 C303 CP2 Cp4 CVS2: library part "Cap Pol1", "Polarized Capacitor (Radial)"
CAN1: library part SN65VHD230
Ccan1 CPU_LED1 CPU_LED2 CPU_LED3 SIM_LED: "Header, 2-Pin"
cnPRG: "Header, 10-Pin"
Coni ConR1 ConR2: "Connector blue screw"
Conrs2 Conrs4: "Connector green screw"
Cp3 Cp21: "Polarized Capacitor (Radial)"
CVS3: library part "Cap Pol", "Polar capacitor"
D19 D20: "High Conductance Fast Diode"
DON: "Typical RED, GREEN, YELLOW, AMBER GaAs LED"
DP1: library part 1N4007, "1 Amp Diode"
F1: library part fuse
F31 F32 R321 R322 R323 Rcan1 Rflash1 Rjump1 Rjump2 RLED1 RLED2 RLED3 Rsim1 Rsim2 Rsim3 Rsim4 Rsim5 RSIM10 RSIM11 RSIM13 RsimL: library part Res2, "Resistor"
flash1: library part SST25
K1 K2: "SPDT Relay"
MR1 MR2 MR3 MR4: library part "Board Screw", "Board Screw With Spacer"
QR2 QR3: "NPN General Purpose Amplifier"
Qsim6: library part 2N3904, "NPN General Purpose Amplifier"
R20 R21 R22 R23 R24 R25 R26 R27 R28 R29 R30 R31 R32 R33 R34 R36 R37 R143 R144 R145 R146 R200 Rf1 Rf3 RPRG1 RPRG2 RPRG3 RPRG4 RPRG5: "Resistor"
R35 RBOOT RON RVS1 RVS2: library part Res1, "Resistor"
simcard1: "Sim Card"
SMB1: "SMB Straight Connector"
SRESET: "Double-Pole, Single-Throw Switch"
TVS2 TVScan: library part nup2105
U37: library part MAX485EPA, "Low-Power, Slew-Rate-Limited RS-485/RS-422 Transceiver"
U?: library part LM2576-5V
Uf2: "2Kbit (256 x 8), 2-wire Bus Automotive Serial EEPROM with full memory Write Protect, 2.5V, 8-Pin SOIC, Bulk"
Urs2: "+5V Powered, Multi-Channel RS-232 Driver/Receiver"
UX: library part SM7745HEV-50.0M
Y1: library part XTAL_1, "Crystal Oscillator"
Y2: library part XTAL, "Crystal Oscillator"

## Via types
v1: diameter 1, hole 0.7, Top Layer to Bottom Layer, 154 vias

## Nets (pads, with @x,y where several pads share a name; then routed paths per layer and width w, separated by ;. In a path a pad name is that pad's centre, name@x,y a point inside that pad or via, vN(x,y) a via of type N, cw(c..) or ccw(c..) an arc to the next point about the centre after c; other vN are vias at no path point)
3V3: C9.1 C10.2 C24.1 C25.1 C26.1 C301.1 C303.1 C325.2 CB1.2 CB2.2 CB3.2 CB4.2 CB5.2 CB6.2 CB7.2 CB8.2 CN1.4 CN1.5 cnPRG.1 CP2.1 DON.1 flash1.3 flash1.7 flash1.8 R20.2 R21.2 R22.1 R23.1 R24.1 R25.1 R26.1 R28.1 R29.1 R30.1 R31.1 R32.1 R33.1 R34.1 R35.1 R200.2 R322.1 REG3.3 REG3.4 Rf1.1 Rf3.2 Rflash1.1 RLED1.2 RLED2.2 RLED3.2 RPRG1.1 RPRG2.1 RPRG3.1 RPRG4.1 U1.11 U1.19 U1.21 U1.22 U1.28 U1.50 U1.75 U1.100 U2.22 U2.32 U2.48 U37.8 Uf2.8 UX.4 | length 422
  Top Layer w0.3: U2.32@81.912,135.673 83.095,135.673 v1@83.693,136.271 ; U2.22@84.587,140.848 84.587,138.43 ; v1(85.675,138.561) 85.544,138.43 84.587,138.43 ; v1@89.027,130.175 v1(89.087,130.235) U2.48@89.087,131.998 89.087,133.925 88.773,134.239 84.709,134.239 83.693,135.255 v1(83.693,136.144) v1@83.693,136.271 ; v1(98.933,153.543) 100.203,152.273 117.348,152.273 118.364,153.289 v1(118.364,153.67) 121.412,153.67 122.047,154.305 v1(122.047,154.813) ; U1.50@106.26,128.586 107.847,127 v1(108.458,127) ; U1.28@114.039,136.365 114.935,135.468 v1@114.935,134.239 ; U1.75@114.746,117.944 115.57,118.769 115.57,120.015 v1(116.078,120.523) ; v1@116.713,135.001 117.66,135.001 U1.21@118.317,135.657 U1.22@117.963,136.011 120.269,138.317 v1@120.269,143.256 ; v1(117.856,133.096) 117.856,133.783 U1.19@119.024,134.95 ; v1(120.269,130.683) 120.413,130.683 U1.11@121.852,132.122 ; v1(122.936,128.016) 123.19,127.762 124.055,127.762 U1.100@125.388,126.43 125.795,126.43 127.343,127.978 v1(127.343,128.105) ; v1@83.693,136.271 84.587,137.165 84.587,138.43
  Top Layer w0.5: v1(71.065,163.199) 71.065,163.267 71.901,164.103 89.376,164.103 v1(90.301,165.028) 95.322,165.028 v1@96.393,163.957
  Top Layer w0.8: R26.1@71.959,130.933 R25.1@71.959,132.838 R24.1@71.959,134.87 70.997,134.87 70.612,135.255 70.612,138.684 70.862,138.934 R23.1@71.959,138.934 R22.1@71.959,140.966 R31.1@71.959,142.998 R30.1@71.959,145.03 R29.1@71.959,147.062 R28.1@71.959,149.094 ; v1(85.221,125.172) R33.1@87.253,125.172 R34.1@89.285,125.172
  Top Layer w1: REG3.4@107.209,85.952 112.909,85.952 REG3.3@113.009,85.852 117.86,85.852 C303.1@118.143,86.134 DON.1@121.539,86.134 ; DON.1@121.203,86.134 DON.1@121.362,85.975
  Bottom Layer w0.3: v1(83.693,136.144) 85.29,136.144 C25.1@85.675,136.529 v1(85.675,138.561) ; v1(87.757,125.095) 87.757,128.905 v1(89.087,130.235) ; R20.2@118.233,143.129 v1(120.015,143.129) ; flash1.7@119.507,159.356 flash1.8@120.777,159.356 123.067,157.066 Rflash1.1@123.067,154.736 ; cnPRG.1@121.031,92.202 126.365,92.202 127.431,93.268 RPRG1.1@127.431,94.746 ; v1(122.047,154.813) 122.99,154.813 Rflash1.1@123.067,154.736 ; Rflash1.1@123.067,154.482 Rflash1.1@123.067,154.736 ; v1(127.343,128.105) 127.343,116.497 127.862,115.978 Rf1.1@128.37,115.978 ; RPRG3.1@127.431,99.572 RPRG3.1@127.508,99.572 ; RPRG1.1@127.508,94.615 RPRG3.1@127.508,99.572 ; RPRG3.1@127.508,99.822 RPRG3.1@127.508,99.572 ; Uf2.8@132.609,117.729 130.175,117.729 127.635,115.189 127.635,107.904 128.905,106.634 128.905,100.33 128.147,99.572 RPRG3.1@127.508,99.572
  Bottom Layer w0.5: v1(85.675,138.561) 85.675,139.561 86.83,140.716 89.916,140.716 90.932,141.732 90.932,160.147 90.301,160.778 v1(90.301,165.028) ; 91.186,149.86 97.155,149.86 98.679,151.384 U37.8@98.679,153.26 ; RLED3.2@94.687,115.955 94.687,112.704 94.869,112.522 ; R322.1@96.016,161.848 96.016,163.834 v1(96.139,163.957) ; RLED1.2@98.751,115.955 98.751,112.577 98.806,112.522 ; RLED2.2@103.069,115.955 103.069,112.704 103.251,112.522
  Bottom Layer w0.8: R21.2@71.12,163.199 71.12,156.591 71.755,155.956 72.009,155.956 ; v1(72.009,149.225) 72.009,155.956 ; UX.4@78.981,123.431 78.981,120.837 R35.1@78.663,120.519 83.943,120.519 85.221,121.797 v1(85.221,125.172) ; CN1.4@81.788,153.162 81.788,154.394 80.264,155.918 80.264,156.337 79.375,157.226 75.438,157.226 74.168,155.956 72.009,155.956
  Bottom Layer w1: R35.1@78.663,120.519 78.663,114.377 80.518,112.522 94.869,112.522 98.806,112.522 103.251,112.522 114.808,112.522 116.078,113.792 v1(116.078,120.523) 114.338,120.523 CB5.2@112.988,121.873 CB6.2@111.083,123.778 108.204,126.657 108.204,127.597 CB8.2@110.57,129.963 CB2.2@112.475,131.868 115.316,134.709 116.205,134.709 CB1.2@119.168,131.746 CB7.2@120.946,129.968 123.063,127.851 123.063,126.657 CB4.2@120.316,123.91 119.126,122.72 ; 112.649,112.268 112.649,92.456 118.237,86.868 v1(118.237,86.487) v1(118.237,85.852)
  other v1: 114.808,134.112 116.332,135.255
4V: CVS1.2 CVS2.1 CVS3.+ CVS4.2 CVS5.2 RVS1.2 SIM4.34 SIM4.35 USIM.4 | length 95
  Top Layer w1: USIM.4@103.658,98.113 107.257,98.113 108.306,99.162 CVS3.+@110.617,99.162 ; CVS3.+@110.363,98.908 114.529,98.908 114.681,99.06 RVS1.2@114.681,99.902 ; CVS1.2@114.681,98.116 RVS1.2@114.681,99.902 ; RVS1.2@114.859,100.08 RVS1.2@114.681,99.902 ; v1(148.844,133.985) v1(148.844,134.62) v1(148.844,133.985)
  Bottom Layer w1: v1(114.677,99.822) v1(114.677,99.06) 114.677,92.587 119.173,88.091 129.493,88.091 131.445,90.043 131.445,104.521 148.844,121.92 v1(148.844,134.62) v1(148.844,133.985)
+5V: CAN1.3 Capcan1.2 CP1.2 Cp4.1 Cp21.1 Crs3.1 Crs4.2 D19.2 D20.2 K1.4 K2.4 Lp1.2 REG3.1 U?.4 Urs2.16 USIM.1 USIM.2 | length 225.9
  Top Layer w0.3: CAN1.3@86.839,117.094 85.09,117.094 84.328,116.332 84.328,114.427 85.217,113.538 89.789,113.538 90.424,114.173 100.457,114.173 102.936,111.694 102.936,110.17 103.124,109.982 ; v1(101.981,162.179) 102.87,161.29 112.982,161.29 113.538,161.846 v1(113.538,162.306)
  Top Layer w1: v1(85.848,109.292) 100.59,109.292 101.28,109.982 103.124,109.982 Cp21.1@110.49,109.982 ; USIM.2@103.658,94.713 USIM.1@103.658,93.013 105.615,93.013 110.476,88.152 REG3.1@113.009,88.152 ; v1(110.236,146.685) v1(110.871,146.685) 114.046,146.685 116.205,148.844 v1(119.634,148.844) v1(120.396,148.844) ; Cp21.1@110.744,110.236 v1(110.744,113.792) v1(110.744,114.427)
  Bottom Layer w0.3: v1(101.981,162.179) 101.981,159.385 100.838,158.242 100.838,153.067 102.87,151.035 102.87,147.955 104.14,146.685 v1(110.236,146.685) v1(110.871,146.685) ; Urs2.16@113.411,157.54 113.538,157.667 v1(113.538,162.306) 113.538,162.1 Crs4.2@113.49,162.052 Crs4.2@113.49,162.306
  Bottom Layer w1: Lp1.2@100.94,110.023 104.734,110.023 106.172,108.585 106.172,94.742 104.648,93.218 v1(103.632,93.218) Cp4.1@103.632,93.538 ; v1(110.744,113.792) v1(110.744,114.427) 108.966,116.205 108.966,121.666 106.426,124.206 106.426,129.286 110.744,133.604 110.744,146.558 v1(110.871,146.685) ; v1@119.634,148.822 K1.4@127.348,148.822 127.348,152.748 ; D19.2@131.572,152.654 127.442,152.654 127.348,152.748 ; D20.2@147.701,152.654 143.615,148.568 K2.4@143.477,148.568 143.477,152.814 141.097,155.194 129.794,155.194 127.348,152.748
  other v1: 84.328,116.713
+24V: Cp3.1 Cp5.2 S1.3 U?.1 | length 12.8
  Top Layer w2: S1.3@77.318,96.444 80.823,96.444 Cp3.1@81.534,97.155 85.875,101.496 v1@85.875,103.632
  other v1: 85.725,103.632
\R\E\S\E\T\: C13.2 cnPRG.8 R20.1 SRESET.2 U1.14 U2.29 | length 134.6
  Top Layer w0.3: U2.29@81.912,137.173 80.154,137.173 75.819,132.838 75.819,123.19 78.359,120.65 89.412,120.65 97.498,128.736 97.498,138.135 103.635,144.272 116.586,144.272 116.844,144.014 116.844,141.224 ; SRESET.2@108.164,141.29 108.229,141.224 116.844,141.224 ; v1(117.856,141.224) 116.844,141.224 ; U1.14@120.791,133.183 122.174,134.565 v1(122.174,135.636)
  Bottom Layer w0.3: C13.2@119.893,141.224 v1(117.856,141.224) 117.602,141.224 117.856,140.97 117.856,140.335 122.174,136.017 v1(122.174,135.636) 122.174,134.118 126.492,129.8 126.492,109.22 126.111,108.839 122.301,108.839 121.158,109.982 cnPRG.8@121.031,109.982
BOOT0: RBOOT.1 U1.94 | length 11.2
  Top Layer w0.3: U1.94@123.266,124.308 125.009,122.566 129.17,122.566 129.832,123.228 129.832,126.835 RBOOT.1@129.794,126.873
CANH: CAN1.7 Ccan1.2 Rcan1.2 TVScan.2 | length 11.5
  Top Layer w0.3: TVScan.2@71.12,115.824 73.914,115.824 Ccan1.2@74.168,115.57 ; Ccan1.2@74.422,115.57 74.676,115.824 CAN1.7@80.039,115.824
  Bottom Layer w0.3: Ccan1.2@74.168,115.57 76.149,115.57 Rcan1.2@76.585,116.006
CANL: CAN1.6 Ccan1.1 Rcan1.1 TVScan.1 | length 11.4
  Top Layer w0.3: TVScan.1@71.12,117.729 73.787,117.729 Ccan1.1@74.168,118.11 ; Ccan1.1@74.422,117.983 75.311,117.094 CAN1.6@80.039,117.094
  Bottom Layer w0.3: Ccan1.1@74.168,118.11 Rcan1.1@76.381,118.11